# Altium PCB STB_ValidationBoard.PcbDoc (part 1 of 4) (continued)
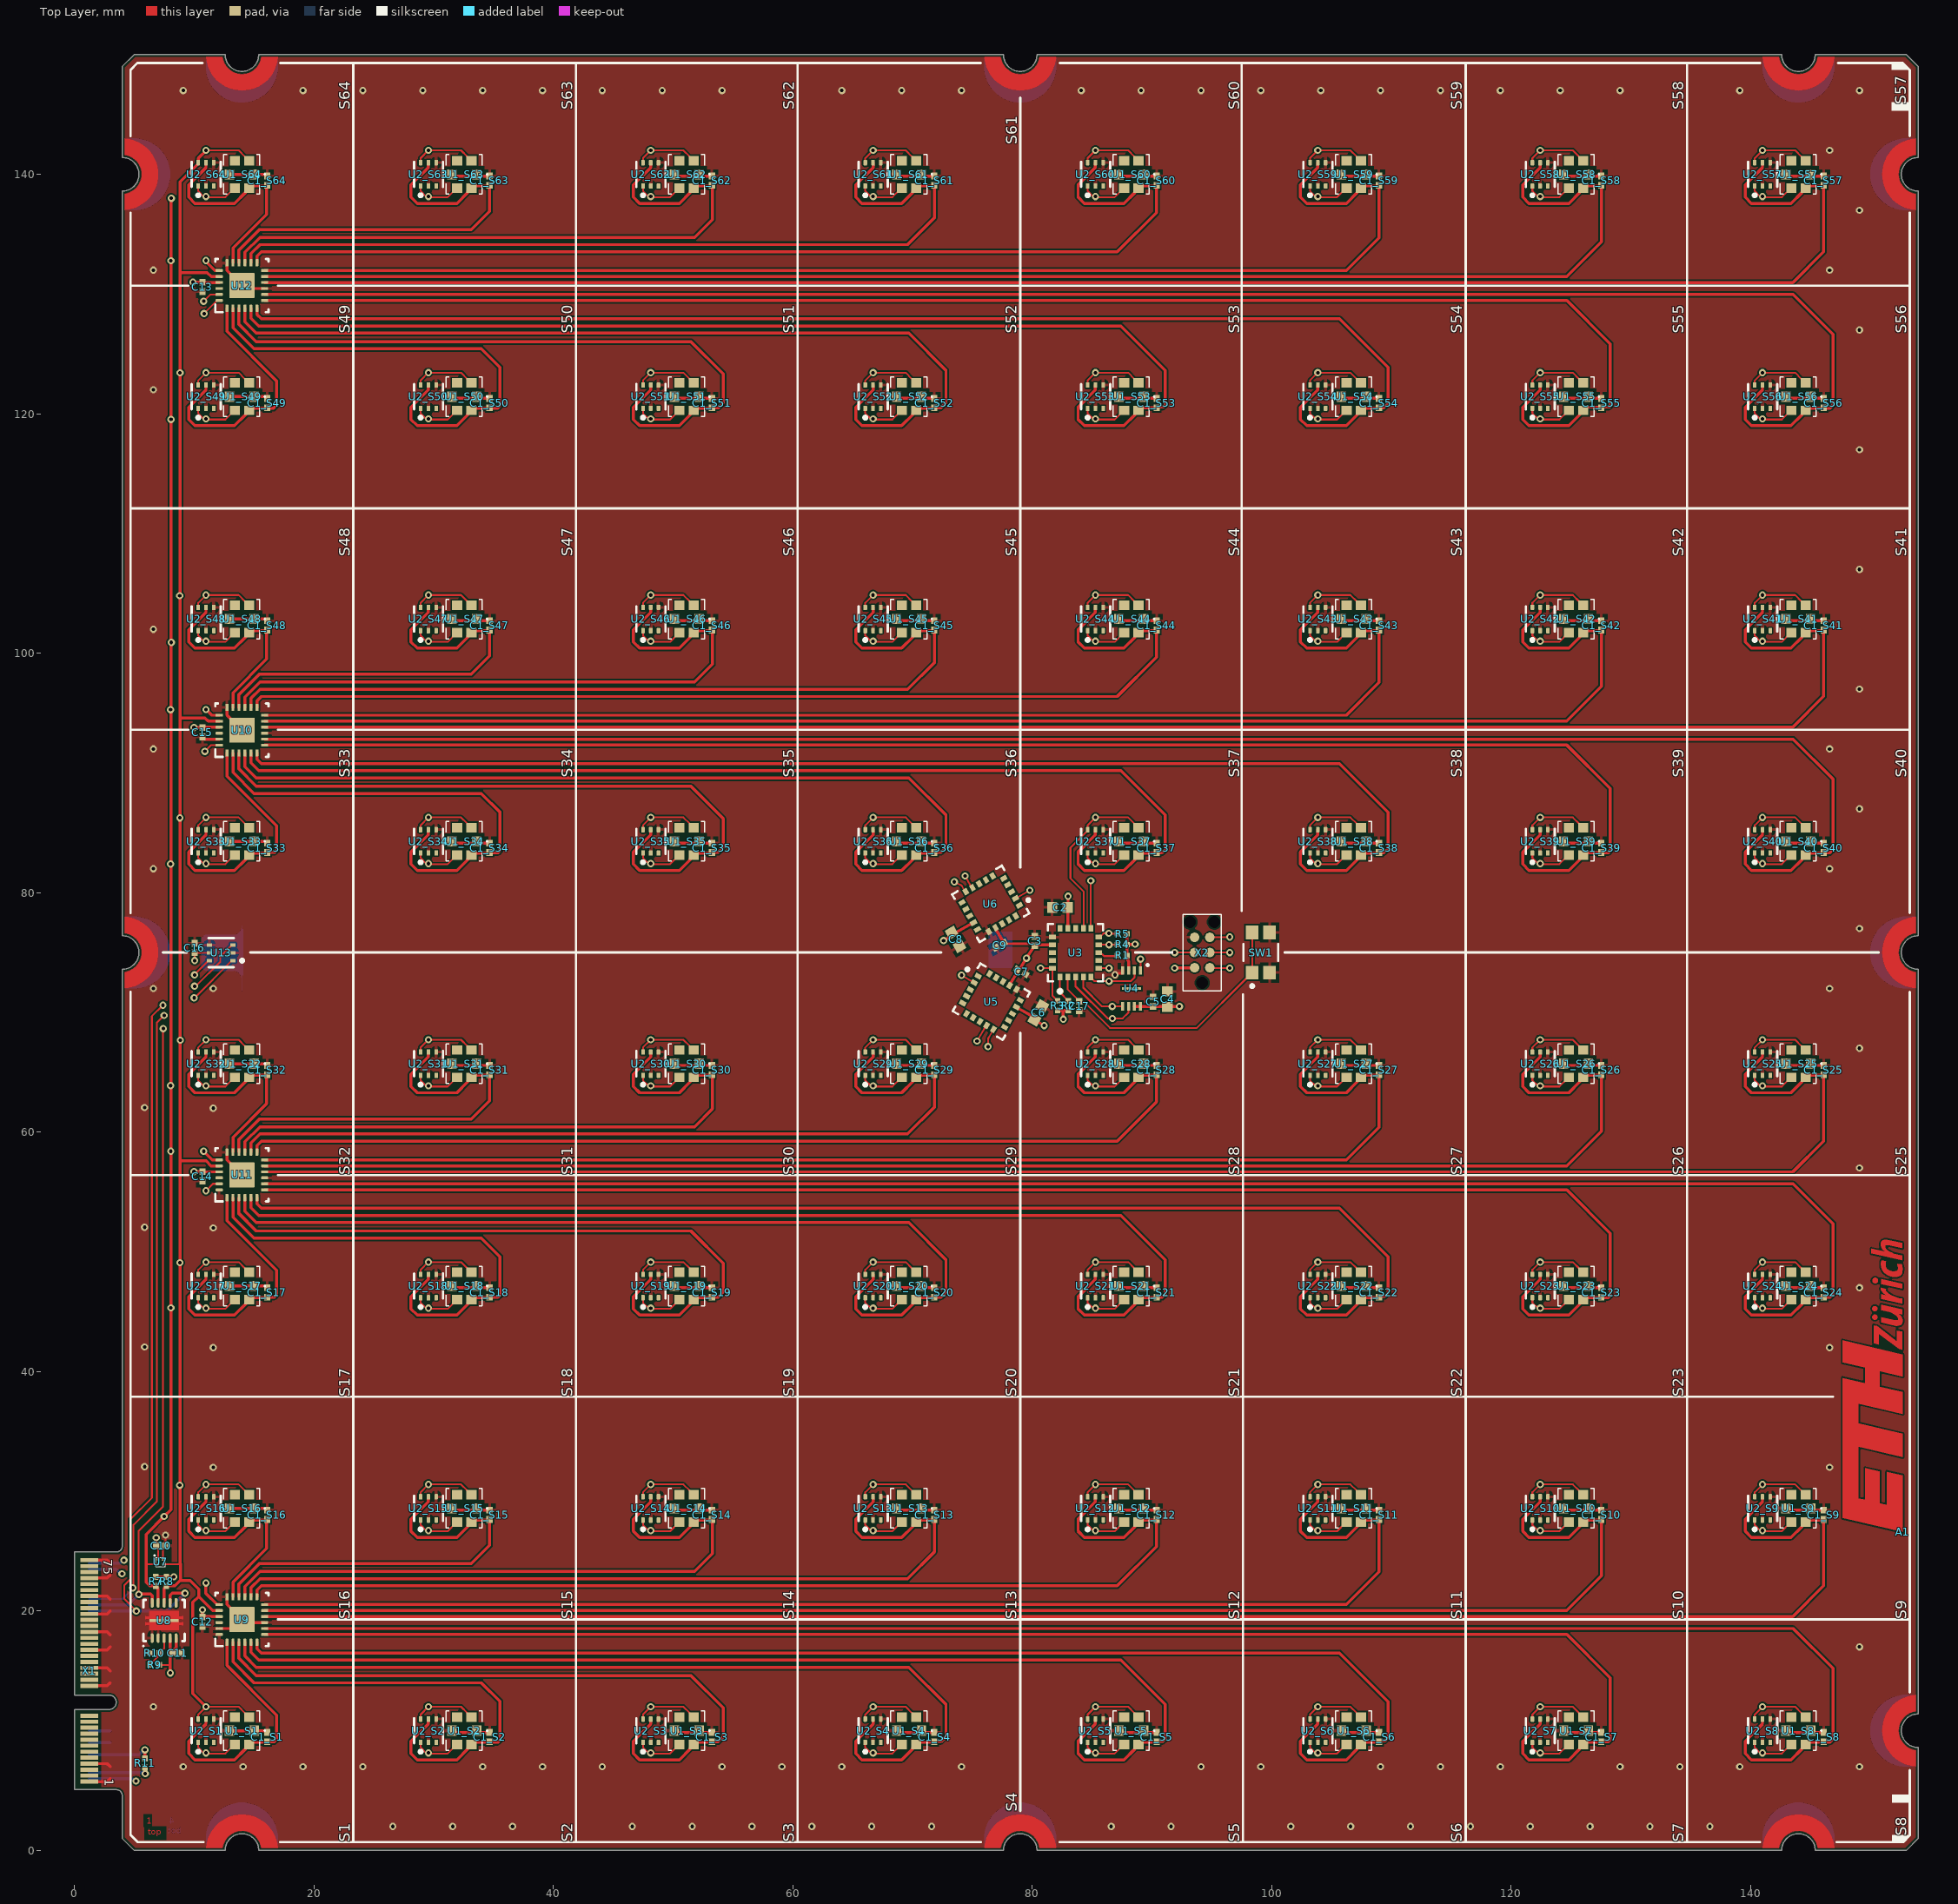
[diagram p0: Top Layer view]
## Classes and differential pairs
channel class STB_Sensors: S1 S2 S3 S4 S5 S6 S7 S8 S9 S10 S11 S12 S13 S14 S15 S16 S17 S18 S19 S20 S21 S22 S23 S24 S25 S26 S27 S28 S29 S30 S31 S32 S33 S34 S35 S36 S37 S38 S39 S40 S41 S42 S43 S44 S45 S46 S47 S48 S49 S50 S51 S52 S53 S54 S55 S56 S57 S58 S59 S60 S61 S62 S63 S64
net class VDD[1..64]: VDD1 VDD2 VDD3 VDD4 VDD5 VDD6 VDD7 VDD8 VDD9 VDD10 VDD11 VDD12 VDD13 VDD14 VDD15 VDD16 VDD17 VDD18 VDD19 VDD20 VDD21 VDD22 VDD23 VDD24 VDD25 VDD26 VDD27 VDD28 VDD29 VDD30 VDD31 VDD32 VDD33 VDD34 VDD35 VDD36 VDD37 VDD38 VDD39 VDD40 VDD41 VDD42 VDD43 VDD44 VDD45 VDD46 VDD47 VDD48 VDD49 VDD50 VDD51 VDD52 VDD53 VDD54 VDD55 VDD56 VDD57 VDD58 VDD59 VDD60 VDD61 VDD62 VDD63 VDD64
component class TC: C10 U7
component class STB_ValidationBoard: A1 C11 C12 C13 C14 C15 C16 R7 R8 R9 R10 R11 TP1 TP2 U8 U9 U10 U11 U12 U13 X1
component class SP: C2 C3 C4 C5 C6 C7 C8 C9 C17 R1 R2 R3 R4 R5 SW1 U3 U4 U5 U6 X2
component class S64: C1_S64 U1_S64 U2_S64
component class S63: C1_S63 U1_S63 U2_S63
component class S62: C1_S62 U1_S62 U2_S62
component class S61: C1_S61 U1_S61 U2_S61
component class S60: C1_S60 U1_S60 U2_S60
component class S59: C1_S59 U1_S59 U2_S59
component class S58: C1_S58 U1_S58 U2_S58
component class S57: C1_S57 U1_S57 U2_S57
component class S56: C1_S56 U1_S56 U2_S56
component class S55: C1_S55 U1_S55 U2_S55
component class S54: C1_S54 U1_S54 U2_S54
component class S53: C1_S53 U1_S53 U2_S53
component class S52: C1_S52 U1_S52 U2_S52
component class S51: C1_S51 U1_S51 U2_S51
component class S50: C1_S50 U1_S50 U2_S50
component class S49: C1_S49 U1_S49 U2_S49
component class S48: C1_S48 U1_S48 U2_S48
component class S47: C1_S47 U1_S47 U2_S47
component class S46: C1_S46 U1_S46 U2_S46
component class S45: C1_S45 U1_S45 U2_S45
component class S44: C1_S44 U1_S44 U2_S44
component class S43: C1_S43 U1_S43 U2_S43
component class S42: C1_S42 U1_S42 U2_S42
component class S41: C1_S41 U1_S41 U2_S41
component class S40: C1_S40 U1_S40 U2_S40
component class S39: C1_S39 U1_S39 U2_S39
component class S38: C1_S38 U1_S38 U2_S38
component class S37: C1_S37 U1_S37 U2_S37
component class S36: C1_S36 U1_S36 U2_S36
component class S35: C1_S35 U1_S35 U2_S35
component class S34: C1_S34 U1_S34 U2_S34
component class S33: C1_S33 U1_S33 U2_S33
component class S32: C1_S32 U1_S32 U2_S32
component class S31: C1_S31 U1_S31 U2_S31
component class S30: C1_S30 U1_S30 U2_S30
component class S29: C1_S29 U1_S29 U2_S29
component class S28: C1_S28 U1_S28 U2_S28
component class S27: C1_S27 U1_S27 U2_S27
component class S26: C1_S26 U1_S26 U2_S26
component class S25: C1_S25 U1_S25 U2_S25
component class S24: C1_S24 U1_S24 U2_S24
component class S23: C1_S23 U1_S23 U2_S23
component class S22: C1_S22 U1_S22 U2_S22
component class S21: C1_S21 U1_S21 U2_S21
component class S20: C1_S20 U1_S20 U2_S20
component class S19: C1_S19 U1_S19 U2_S19
component class S18: C1_S18 U1_S18 U2_S18
component class S17: C1_S17 U1_S17 U2_S17
component class S16: C1_S16 U1_S16 U2_S16
component class S15: C1_S15 U1_S15 U2_S15
component class S14: C1_S14 U1_S14 U2_S14
component class S13: C1_S13 U1_S13 U2_S13
component class S12: C1_S12 U1_S12 U2_S12
component class S11: C1_S11 U1_S11 U2_S11
component class S10: C1_S10 U1_S10 U2_S10
component class S9: C1_S9 U1_S9 U2_S9
component class S8: C1_S8 U1_S8 U2_S8
component class S7: C1_S7 U1_S7 U2_S7
component class S6: C1_S6 U1_S6 U2_S6
component class S5: C1_S5 U1_S5 U2_S5
component class S4: C1_S4 U1_S4 U2_S4
component class S3: C1_S3 U1_S3 U2_S3
component class S2: C1_S2 U1_S2 U2_S2
component class S1: C1_S1 U1_S1 U2_S1

## Components (designator, comment, footprint, x,y, rotation, side; value= is the part's Value field where it differs from the comment)
A1 "Logo ETH Zurich" eth-zurich_5mm 152.7,26.6 r90 top
C1_S1 "100nF" CAPC1050X55X23LL05T13 16.11,9.466 r270 top (schematic designator C1)
C1_S2 "100nF" CAPC1050X55X23LL05T13 34.681,9.466 r270 top (schematic designator C1)
C1_S3 "100nF" CAPC1050X55X23LL05T13 53.252,9.466 r270 top (schematic designator C1)
C1_S4 "100nF" CAPC1050X55X23LL05T13 71.824,9.466 r270 top (schematic designator C1)
C1_S5 "100nF" CAPC1050X55X23LL05T13 90.395,9.466 r270 top (schematic designator C1)
C1_S6 "100nF" CAPC1050X55X23LL05T13 108.967,9.466 r270 top (schematic designator C1)
C1_S7 "100nF" CAPC1050X55X23LL05T13 127.538,9.466 r270 top (schematic designator C1)
C1_S8 "100nF" CAPC1050X55X23LL05T13 146.109,9.466 r270 top (schematic designator C1)
C1_S9 "100nF" CAPC1050X55X23LL05T13 146.109,28.038 r270 top (schematic designator C1)
C1_S10 "100nF" CAPC1050X55X23LL05T13 127.538,28.038 r270 top (schematic designator C1)
C1_S11 "100nF" CAPC1050X55X23LL05T13 108.967,28.038 r270 top (schematic designator C1)
C1_S12 "100nF" CAPC1050X55X23LL05T13 90.395,28.038 r270 top (schematic designator C1)
C1_S13 "100nF" CAPC1050X55X23LL05T13 71.824,28.038 r270 top (schematic designator C1)
C1_S14 "100nF" CAPC1050X55X23LL05T13 53.252,28.038 r270 top (schematic designator C1)
C1_S15 "100nF" CAPC1050X55X23LL05T13 34.681,28.038 r270 top (schematic designator C1)
C1_S16 "100nF" CAPC1050X55X23LL05T13 16.11,28.038 r270 top (schematic designator C1)
C1_S17 "100nF" CAPC1050X55X23LL05T13 16.11,46.609 r270 top (schematic designator C1)
C1_S18 "100nF" CAPC1050X55X23LL05T13 34.681,46.609 r270 top (schematic designator C1)
C1_S19 "100nF" CAPC1050X55X23LL05T13 53.252,46.609 r270 top (schematic designator C1)
C1_S20 "100nF" CAPC1050X55X23LL05T13 71.824,46.609 r270 top (schematic designator C1)
C1_S21 "100nF" CAPC1050X55X23LL05T13 90.395,46.609 r270 top (schematic designator C1)
C1_S22 "100nF" CAPC1050X55X23LL05T13 108.967,46.609 r270 top (schematic designator C1)
C1_S23 "100nF" CAPC1050X55X23LL05T13 127.538,46.609 r270 top (schematic designator C1)
C1_S24 "100nF" CAPC1050X55X23LL05T13 146.109,46.609 r270 top (schematic designator C1)
C1_S25 "100nF" CAPC1050X55X23LL05T13 146.109,65.181 r270 top (schematic designator C1)
C1_S26 "100nF" CAPC1050X55X23LL05T13 127.538,65.181 r270 top (schematic designator C1)
C1_S27 "100nF" CAPC1050X55X23LL05T13 108.967,65.181 r270 top (schematic designator C1)
C1_S28 "100nF" CAPC1050X55X23LL05T13 90.395,65.181 r270 top (schematic designator C1)
C1_S29 "100nF" CAPC1050X55X23LL05T13 71.824,65.181 r270 top (schematic designator C1)
C1_S30 "100nF" CAPC1050X55X23LL05T13 53.252,65.181 r270 top (schematic designator C1)
C1_S31 "100nF" CAPC1050X55X23LL05T13 34.681,65.181 r270 top (schematic designator C1)
C1_S32 "100nF" CAPC1050X55X23LL05T13 16.11,65.181 r270 top (schematic designator C1)
C1_S33 "100nF" CAPC1050X55X23LL05T13 16.11,83.752 r270 top (schematic designator C1)
C1_S34 "100nF" CAPC1050X55X23LL05T13 34.681,83.752 r270 top (schematic designator C1)
C1_S35 "100nF" CAPC1050X55X23LL05T13 53.252,83.752 r270 top (schematic designator C1)
C1_S36 "100nF" CAPC1050X55X23LL05T13 71.824,83.752 r270 top (schematic designator C1)
C1_S37 "100nF" CAPC1050X55X23LL05T13 90.395,83.752 r270 top (schematic designator C1)
C1_S38 "100nF" CAPC1050X55X23LL05T13 108.967,83.752 r270 top (schematic designator C1)
C1_S39 "100nF" CAPC1050X55X23LL05T13 127.538,83.752 r270 top (schematic designator C1)
C1_S40 "100nF" CAPC1050X55X23LL05T13 146.109,83.752 r270 top (schematic designator C1)
C1_S41 "100nF" CAPC1050X55X23LL05T13 146.109,102.323 r270 top (schematic designator C1)
C1_S42 "100nF" CAPC1050X55X23LL05T13 127.538,102.323 r270 top (schematic designator C1)
C1_S43 "100nF" CAPC1050X55X23LL05T13 108.967,102.323 r270 top (schematic designator C1)
C1_S44 "100nF" CAPC1050X55X23LL05T13 90.395,102.323 r270 top (schematic designator C1)
C1_S45 "100nF" CAPC1050X55X23LL05T13 71.824,102.323 r270 top (schematic designator C1)
C1_S46 "100nF" CAPC1050X55X23LL05T13 53.252,102.323 r270 top (schematic designator C1)
C1_S47 "100nF" CAPC1050X55X23LL05T13 34.681,102.323 r270 top (schematic designator C1)
C1_S48 "100nF" CAPC1050X55X23LL05T13 16.11,102.323 r270 top (schematic designator C1)
C1_S49 "100nF" CAPC1050X55X23LL05T13 16.11,120.895 r270 top (schematic designator C1)
C1_S50 "100nF" CAPC1050X55X23LL05T13 34.681,120.895 r270 top (schematic designator C1)
C1_S51 "100nF" CAPC1050X55X23LL05T13 53.252,120.895 r270 top (schematic designator C1)
C1_S52 "100nF" CAPC1050X55X23LL05T13 71.824,120.895 r270 top (schematic designator C1)
C1_S53 "100nF" CAPC1050X55X23LL05T13 90.395,120.895 r270 top (schematic designator C1)
C1_S54 "100nF" CAPC1050X55X23LL05T13 108.967,120.895 r270 top (schematic designator C1)
C1_S55 "100nF" CAPC1050X55X23LL05T13 127.538,120.895 r270 top (schematic designator C1)
C1_S56 "100nF" CAPC1050X55X23LL05T13 146.109,120.895 r270 top (schematic designator C1)
C1_S57 "100nF" CAPC1050X55X23LL05T13 146.109,139.466 r270 top (schematic designator C1)
C1_S58 "100nF" CAPC1050X55X23LL05T13 127.538,139.466 r270 top (schematic designator C1)
C1_S59 "100nF" CAPC1050X55X23LL05T13 108.967,139.466 r270 top (schematic designator C1)
C1_S60 "100nF" CAPC1050X55X23LL05T13 90.395,139.466 r270 top (schematic designator C1)
C1_S61 "100nF" CAPC1050X55X23LL05T13 71.824,139.466 r270 top (schematic designator C1)
C1_S62 "100nF" CAPC1050X55X23LL05T13 53.252,139.466 r270 top (schematic designator C1)
C1_S63 "100nF" CAPC1050X55X23LL05T13 34.681,139.466 r270 top (schematic designator C1)
C1_S64 "100nF" CAPC1050X55X23LL05T13 16.11,139.466 r270 top (schematic designator C1)
C2 "1uF" CAPC1608X90X35LL15T15 82.321,78.764 r0 top
C3 "100nF" CAPC1050X55X23LL05T13 80.221,75.964 r270 top
C4 "1uF" CAPC1608X90X35LL15T15 91.3,71.1 r270 top
C5 "100nF" CAPC1050X55X23LL05T13 90.1,70.9 r270 top
C6 "1uF" CAPC1608X90X35LL15T15 80.521,69.964 r240 top
C7 "100nF" CAPC1050X55X23LL05T13 79.1,73.4 r150 top
C8 "1uF" CAPC1608X90X35LL15T15 73.6,76.1 r120 top
C9 "100nF" CAPC1050X55X23LL05T13 77.3,75.6 r30 top
C10 "100nF" CAPC1050X55X23LL05T13 7.236,25.454 r180 top
C11 "100nF" CAPC1050X55X23LL05T13 8.6,16.5 r180 top
C12 "100nF" CAPC1050X55X23LL05T13 10.7,19.1 r90 top
C13 "100nF" CAPC1050X55X23LL05T13 10.7,130.6 r90 top
C14 "100nF" CAPC1050X55X23LL05T13 10.7,56.3 r90 top
C15 "100nF" CAPC1050X55X23LL05T13 10.7,93.4 r90 top
C16 "100nF" CAPC1050X55X23LL05T13 10.048,75.376 r270 top
C17 "100nF" CAPC1050X55X23LL05T13 83.921,70.527 r90 top
R1 "10k" RESC1005X40X25LL05T05 87.521,74.764 r0 top value="10 kOhm"
R2 "DNP" RESC1005X40X25LL05T05 83.021,70.564 r270 top value="10 kOhm"
R3 "DNP" RESC1005X40X25LL05T05 82.121,70.564 r270 top value="10 kOhm"
R4 "10k" RESC1005X40X25LL05T05 87.521,75.664 r0 top value="10 kOhm"
R5 "10k" RESC1005X40X25LL05T05 87.521,76.564 r0 top value="10 kOhm"
R7 "4k7" RESC1005X40X25LL05T10 6.8,22.475 r90 top value="4.7 kOhm"
R8 "4k7" RESC1005X40X25LL05T10 7.7,22.475 r90 top value="4.7 kOhm"
R9 "976k" RESC1005X40X25LL05T05 6.7,15.5 r180 top value="976 kOhm"
R10 "182k" RESC1005X40X25LL05T05 6.7,16.5 r0 top value="182 kOhm"
R11 "200k" RESC1005X40X25LL05T10 5.9,7.3 r270 top value="200 kOhm"
SW1 "DNP" PNSC-EVPAA_V 99.1,75 r90 top
TP1 "testPoint_1mm" TP-SM-C-100 12.264,75 r180 bottom
TP2 "testPoint_1mm" TP-SM-C-100 77.233,75.099 r90 bottom
U1_S1 "VEML60311X00" "6-SMD - No Thermal Pad_2" 14,10 r90 top (schematic designator U1)
U1_S2 "VEML60311X00" "6-SMD - No Thermal Pad_2" 32.571,10 r90 top (schematic designator U1)
U1_S3 "VEML60311X00" "6-SMD - No Thermal Pad_2" 51.143,10 r90 top (schematic designator U1)
U1_S4 "VEML60311X00" "6-SMD - No Thermal Pad_2" 69.714,10 r90 top (schematic designator U1)
U1_S5 "VEML60311X00" "6-SMD - No Thermal Pad_2" 88.286,10 r90 top (schematic designator U1)
U1_S6 "VEML60311X00" "6-SMD - No Thermal Pad_2" 106.857,10 r90 top (schematic designator U1)
U1_S7 "VEML60311X00" "6-SMD - No Thermal Pad_2" 125.428,10 r90 top (schematic designator U1)
U1_S8 "VEML60311X00" "6-SMD - No Thermal Pad_2" 144,10 r90 top (schematic designator U1)
U1_S9 "VEML60311X00" "6-SMD - No Thermal Pad_2" 144,28.571 r90 top (schematic designator U1)
U1_S10 "VEML60311X00" "6-SMD - No Thermal Pad_2" 125.428,28.571 r90 top (schematic designator U1)
U1_S11 "VEML60311X00" "6-SMD - No Thermal Pad_2" 106.857,28.571 r90 top (schematic designator U1)
U1_S12 "VEML60311X00" "6-SMD - No Thermal Pad_2" 88.286,28.571 r90 top (schematic designator U1)
U1_S13 "VEML60311X00" "6-SMD - No Thermal Pad_2" 69.714,28.571 r90 top (schematic designator U1)
U1_S14 "VEML60311X00" "6-SMD - No Thermal Pad_2" 51.143,28.571 r90 top (schematic designator U1)
U1_S15 "VEML60311X00" "6-SMD - No Thermal Pad_2" 32.571,28.571 r90 top (schematic designator U1)
U1_S16 "VEML60311X00" "6-SMD - No Thermal Pad_2" 14,28.571 r90 top (schematic designator U1)
U1_S17 "VEML60311X00" "6-SMD - No Thermal Pad_2" 14,47.143 r90 top (schematic designator U1)
U1_S18 "VEML60311X00" "6-SMD - No Thermal Pad_2" 32.571,47.143 r90 top (schematic designator U1)
U1_S19 "VEML60311X00" "6-SMD - No Thermal Pad_2" 51.143,47.143 r90 top (schematic designator U1)
U1_S20 "VEML60311X00" "6-SMD - No Thermal Pad_2" 69.714,47.143 r90 top (schematic designator U1)
U1_S21 "VEML60311X00" "6-SMD - No Thermal Pad_2" 88.286,47.143 r90 top (schematic designator U1)
U1_S22 "VEML60311X00" "6-SMD - No Thermal Pad_2" 106.857,47.143 r90 top (schematic designator U1)
U1_S23 "VEML60311X00" "6-SMD - No Thermal Pad_2" 125.428,47.143 r90 top (schematic designator U1)
U1_S24 "VEML60311X00" "6-SMD - No Thermal Pad_2" 144,47.143 r90 top (schematic designator U1)
U1_S25 "VEML60311X00" "6-SMD - No Thermal Pad_2" 144,65.714 r90 top (schematic designator U1)
U1_S26 "VEML60311X00" "6-SMD - No Thermal Pad_2" 125.428,65.714 r90 top (schematic designator U1)
U1_S27 "VEML60311X00" "6-SMD - No Thermal Pad_2" 106.857,65.714 r90 top (schematic designator U1)
U1_S28 "VEML60311X00" "6-SMD - No Thermal Pad_2" 88.286,65.714 r90 top (schematic designator U1)
U1_S29 "VEML60311X00" "6-SMD - No Thermal Pad_2" 69.714,65.714 r90 top (schematic designator U1)
U1_S30 "VEML60311X00" "6-SMD - No Thermal Pad_2" 51.143,65.714 r90 top (schematic designator U1)
U1_S31 "VEML60311X00" "6-SMD - No Thermal Pad_2" 32.571,65.714 r90 top (schematic designator U1)
U1_S32 "VEML60311X00" "6-SMD - No Thermal Pad_2" 14,65.714 r90 top (schematic designator U1)
U1_S33 "VEML60311X00" "6-SMD - No Thermal Pad_2" 14,84.286 r90 top (schematic designator U1)
U1_S34 "VEML60311X00" "6-SMD - No Thermal Pad_2" 32.571,84.286 r90 top (schematic designator U1)
U1_S35 "VEML60311X00" "6-SMD - No Thermal Pad_2" 51.143,84.286 r90 top (schematic designator U1)
U1_S36 "VEML60311X00" "6-SMD - No Thermal Pad_2" 69.714,84.286 r90 top (schematic designator U1)
U1_S37 "VEML60311X00" "6-SMD - No Thermal Pad_2" 88.286,84.286 r90 top (schematic designator U1)
U1_S38 "VEML60311X00" "6-SMD - No Thermal Pad_2" 106.857,84.286 r90 top (schematic designator U1)
U1_S39 "VEML60311X00" "6-SMD - No Thermal Pad_2" 125.428,84.286 r90 top (schematic designator U1)
U1_S40 "VEML60311X00" "6-SMD - No Thermal Pad_2" 144,84.286 r90 top (schematic designator U1)
U1_S41 "VEML60311X00" "6-SMD - No Thermal Pad_2" 144,102.857 r90 top (schematic designator U1)
U1_S42 "VEML60311X00" "6-SMD - No Thermal Pad_2" 125.428,102.857 r90 top (schematic designator U1)
U1_S43 "VEML60311X00" "6-SMD - No Thermal Pad_2" 106.857,102.857 r90 top (schematic designator U1)
U1_S44 "VEML60311X00" "6-SMD - No Thermal Pad_2" 88.286,102.857 r90 top (schematic designator U1)
U1_S45 "VEML60311X00" "6-SMD - No Thermal Pad_2" 69.714,102.857 r90 top (schematic designator U1)
U1_S46 "VEML60311X00" "6-SMD - No Thermal Pad_2" 51.143,102.857 r90 top (schematic designator U1)
U1_S47 "VEML60311X00" "6-SMD - No Thermal Pad_2" 32.571,102.857 r90 top (schematic designator U1)
U1_S48 "VEML60311X00" "6-SMD - No Thermal Pad_2" 14,102.857 r90 top (schematic designator U1)
U1_S49 "VEML60311X00" "6-SMD - No Thermal Pad_2" 14,121.428 r90 top (schematic designator U1)
U1_S50 "VEML60311X00" "6-SMD - No Thermal Pad_2" 32.571,121.428 r90 top (schematic designator U1)
U1_S51 "VEML60311X00" "6-SMD - No Thermal Pad_2" 51.143,121.428 r90 top (schematic designator U1)
U1_S52 "VEML60311X00" "6-SMD - No Thermal Pad_2" 69.714,121.428 r90 top (schematic designator U1)
U1_S53 "VEML60311X00" "6-SMD - No Thermal Pad_2" 88.286,121.428 r90 top (schematic designator U1)
U1_S54 "VEML60311X00" "6-SMD - No Thermal Pad_2" 106.857,121.428 r90 top (schematic designator U1)
U1_S55 "VEML60311X00" "6-SMD - No Thermal Pad_2" 125.428,121.428 r90 top (schematic designator U1)
U1_S56 "VEML60311X00" "6-SMD - No Thermal Pad_2" 144,121.428 r90 top (schematic designator U1)
U1_S57 "VEML60311X00" "6-SMD - No Thermal Pad_2" 144,140 r90 top (schematic designator U1)
U1_S58 "VEML60311X00" "6-SMD - No Thermal Pad_2" 125.428,140 r90 top (schematic designator U1)
U1_S59 "VEML60311X00" "6-SMD - No Thermal Pad_2" 106.857,140 r90 top (schematic designator U1)
U1_S60 "VEML60311X00" "6-SMD - No Thermal Pad_2" 88.286,140 r90 top (schematic designator U1)
U1_S61 "VEML60311X00" "6-SMD - No Thermal Pad_2" 69.714,140 r90 top (schematic designator U1)
U1_S62 "VEML60311X00" "6-SMD - No Thermal Pad_2" 51.143,140 r90 top (schematic designator U1)
U1_S63 "VEML60311X00" "6-SMD - No Thermal Pad_2" 32.571,140 r90 top (schematic designator U1)
U1_S64 "VEML60311X00" "6-SMD - No Thermal Pad_2" 14,140 r90 top (schematic designator U1)
U2_S1 "TMP116NAIDRVR" FP-DRV0006B-MFG 11,10 r90 top (schematic designator U2)
U2_S2 "TMP116NAIDRVR" FP-DRV0006B-MFG 29.571,10 r90 top (schematic designator U2)
U2_S3 "TMP116NAIDRVR" FP-DRV0006B-MFG 48.143,10 r90 top (schematic designator U2)
U2_S4 "TMP116NAIDRVR" FP-DRV0006B-MFG 66.714,10 r90 top (schematic designator U2)
U2_S5 "TMP116NAIDRVR" FP-DRV0006B-MFG 85.286,10 r90 top (schematic designator U2)
U2_S6 "TMP116NAIDRVR" FP-DRV0006B-MFG 103.857,10 r90 top (schematic designator U2)
U2_S7 "TMP116NAIDRVR" FP-DRV0006B-MFG 122.428,10 r90 top (schematic designator U2)
U2_S8 "TMP116NAIDRVR" FP-DRV0006B-MFG 141,10 r90 top (schematic designator U2)
U2_S9 "TMP116NAIDRVR" FP-DRV0006B-MFG 141,28.571 r90 top (schematic designator U2)
U2_S10 "TMP116NAIDRVR" FP-DRV0006B-MFG 122.428,28.571 r90 top (schematic designator U2)
U2_S11 "TMP116NAIDRVR" FP-DRV0006B-MFG 103.857,28.571 r90 top (schematic designator U2)
U2_S12 "TMP116NAIDRVR" FP-DRV0006B-MFG 85.286,28.571 r90 top (schematic designator U2)
U2_S13 "TMP116NAIDRVR" FP-DRV0006B-MFG 66.714,28.571 r90 top (schematic designator U2)
U2_S14 "TMP116NAIDRVR" FP-DRV0006B-MFG 48.143,28.571 r90 top (schematic designator U2)
U2_S15 "TMP116NAIDRVR" FP-DRV0006B-MFG 29.571,28.571 r90 top (schematic designator U2)
U2_S16 "TMP116NAIDRVR" FP-DRV0006B-MFG 11,28.571 r90 top (schematic designator U2)
U2_S17 "TMP116NAIDRVR" FP-DRV0006B-MFG 11,47.143 r90 top (schematic designator U2)
U2_S18 "TMP116NAIDRVR" FP-DRV0006B-MFG 29.571,47.143 r90 top (schematic designator U2)
U2_S19 "TMP116NAIDRVR" FP-DRV0006B-MFG 48.143,47.143 r90 top (schematic designator U2)
U2_S20 "TMP116NAIDRVR" FP-DRV0006B-MFG 66.714,47.143 r90 top (schematic designator U2)
U2_S21 "TMP116NAIDRVR" FP-DRV0006B-MFG 85.286,47.143 r90 top (schematic designator U2)
U2_S22 "TMP116NAIDRVR" FP-DRV0006B-MFG 103.857,47.143 r90 top (schematic designator U2)
U2_S23 "TMP116NAIDRVR" FP-DRV0006B-MFG 122.428,47.143 r90 top (schematic designator U2)
U2_S24 "TMP116NAIDRVR" FP-DRV0006B-MFG 141,47.143 r90 top (schematic designator U2)
U2_S25 "TMP116NAIDRVR" FP-DRV0006B-MFG 141,65.714 r90 top (schematic designator U2)
U2_S26 "TMP116NAIDRVR" FP-DRV0006B-MFG 122.428,65.714 r90 top (schematic designator U2)
U2_S27 "TMP116NAIDRVR" FP-DRV0006B-MFG 103.857,65.714 r90 top (schematic designator U2)
U2_S28 "TMP116NAIDRVR" FP-DRV0006B-MFG 85.286,65.714 r90 top (schematic designator U2)
U2_S29 "TMP116NAIDRVR" FP-DRV0006B-MFG 66.714,65.714 r90 top (schematic designator U2)
U2_S30 "TMP116NAIDRVR" FP-DRV0006B-MFG 48.143,65.714 r90 top (schematic designator U2)
U2_S31 "TMP116NAIDRVR" FP-DRV0006B-MFG 29.571,65.714 r90 top (schematic designator U2)
U2_S32 "TMP116NAIDRVR" FP-DRV0006B-MFG 11,65.714 r90 top (schematic designator U2)
U2_S33 "TMP116NAIDRVR" FP-DRV0006B-MFG 11,84.286 r90 top (schematic designator U2)
U2_S34 "TMP116NAIDRVR" FP-DRV0006B-MFG 29.571,84.286 r90 top (schematic designator U2)
U2_S35 "TMP116NAIDRVR" FP-DRV0006B-MFG 48.143,84.286 r90 top (schematic designator U2)
U2_S36 "TMP116NAIDRVR" FP-DRV0006B-MFG 66.714,84.286 r90 top (schematic designator U2)
U2_S37 "TMP116NAIDRVR" FP-DRV0006B-MFG 85.286,84.286 r90 top (schematic designator U2)
U2_S38 "TMP116NAIDRVR" FP-DRV0006B-MFG 103.857,84.286 r90 top (schematic designator U2)
U2_S39 "TMP116NAIDRVR" FP-DRV0006B-MFG 122.428,84.286 r90 top (schematic designator U2)
U2_S40 "TMP116NAIDRVR" FP-DRV0006B-MFG 141,84.286 r90 top (schematic designator U2)
U2_S41 "TMP116NAIDRVR" FP-DRV0006B-MFG 141,102.857 r90 top (schematic designator U2)
U2_S42 "TMP116NAIDRVR" FP-DRV0006B-MFG 122.428,102.857 r90 top (schematic designator U2)
U2_S43 "TMP116NAIDRVR" FP-DRV0006B-MFG 103.857,102.857 r90 top (schematic designator U2)
U2_S44 "TMP116NAIDRVR" FP-DRV0006B-MFG 85.286,102.857 r90 top (schematic designator U2)
U2_S45 "TMP116NAIDRVR" FP-DRV0006B-MFG 66.714,102.857 r90 top (schematic designator U2)
U2_S46 "TMP116NAIDRVR" FP-DRV0006B-MFG 48.143,102.857 r90 top (schematic designator U2)
U2_S47 "TMP116NAIDRVR" FP-DRV0006B-MFG 29.571,102.857 r90 top (schematic designator U2)
U2_S48 "TMP116NAIDRVR" FP-DRV0006B-MFG 11,102.857 r90 top (schematic designator U2)
U2_S49 "TMP116NAIDRVR" FP-DRV0006B-MFG 11,121.428 r90 top (schematic designator U2)
U2_S50 "TMP116NAIDRVR" FP-DRV0006B-MFG 29.571,121.428 r90 top (schematic designator U2)
U2_S51 "TMP116NAIDRVR" FP-DRV0006B-MFG 48.143,121.428 r90 top (schematic designator U2)
U2_S52 "TMP116NAIDRVR" FP-DRV0006B-MFG 66.714,121.428 r90 top (schematic designator U2)
U2_S53 "TMP116NAIDRVR" FP-DRV0006B-MFG 85.286,121.428 r90 top (schematic designator U2)
U2_S54 "TMP116NAIDRVR" FP-DRV0006B-MFG 103.857,121.428 r90 top (schematic designator U2)
U2_S55 "TMP116NAIDRVR" FP-DRV0006B-MFG 122.428,121.428 r90 top (schematic designator U2)
U2_S56 "TMP116NAIDRVR" FP-DRV0006B-MFG 141,121.428 r90 top (schematic designator U2)
U2_S57 "TMP116NAIDRVR" FP-DRV0006B-MFG 141,140 r90 top (schematic designator U2)
U2_S58 "TMP116NAIDRVR" FP-DRV0006B-MFG 122.428,140 r90 top (schematic designator U2)
U2_S59 "TMP116NAIDRVR" FP-DRV0006B-MFG 103.857,140 r90 top (schematic designator U2)
U2_S60 "TMP116NAIDRVR" FP-DRV0006B-MFG 85.286,140 r90 top (schematic designator U2)
U2_S61 "TMP116NAIDRVR" FP-DRV0006B-MFG 66.714,140 r90 top (schematic designator U2)
U2_S62 "TMP116NAIDRVR" FP-DRV0006B-MFG 48.143,140 r90 top (schematic designator U2)
U2_S63 "TMP116NAIDRVR" FP-DRV0006B-MFG 29.571,140 r90 top (schematic designator U2)
U2_S64 "TMP116NAIDRVR" FP-DRV0006B-MFG 11,140 r90 top (schematic designator U2)
U3 "AS72651-BLGT" FP-AS72651-BLGT-MFG 83.621,74.989 r90 top
U4 "MX25L4006EZUI-12G" MXIC-USON-8_V 88.3,72 r270 top
U5 "AS72653-BLGT" FP-AS72653-BLGT-MFG 76.6,70.9 r330 top
U6 "AS72652-BLGT" FP-AS72652-BLGT-MFG 76.537,79.067 r210 top
U7 "N24S64BC4DYT3G" "4-WLCSP (0.77x0.77)" 7.2,24.1 r0 top
U8 "LTC4316IDD#TRPBF" DFN10(3x3)_N 7.5,19.2 r90 top
U9 "PCA9555AHF,128" RGE0024C 14,19.286 r90 top
U10 "PCA9555AHF,128" RGE0024C 14,93.571 r90 top
U11 "PCA9555AHF,128" RGE0024C 14,56.428 r90 top
U12 "PCA9555AHF,128" RGE0024C 14,130.714 r90 top
U13 "TMP116NAIDRVR" FP-DRV0006B-MFG 12.264,74.978 r180 top
X1 "CONN PWR CARD EDGE PCB SLOT MALE" CON-67_0.5MM_PCB_SLOT 1.25,15 r270 top locked
X2 "TC2030-MCP-NL" TC2030-MCP-NL 94.2,75 r90 top

## Footprints (in the part's own frame and the unit in brackets; to place one, negate y for a bottom-side part, rotate by r counter-clockwise, add the part's x,y. Pads: shape width x height; smd on the part's side, far side on the other; paste and mask are expansions set on the pad)
"4-WLCSP (0.77x0.77)" [mm] "BGA, 4-Balls, Body 0.77x0.77mm, Pitch 0.4mm"
  round 0.22 smd mask+0.032: A1(-0.2,0.2) A2(0.2,0.2) B1(-0.2,-0.2) B2(0.2,-0.2)
  silkscreen extent -0.55,-0.39 0.39,0.57, body extent -0.33,-0.33 0.33,0.33, height 0.4
"6-SMD - No Thermal Pad_2" [mm] "SMD, 6-Leads, Body 2.67x2.45mm"
  rect 0.85x0.79 smd: 1(0,-1.035) 4(0,1.035)
  rect 0.79x0.85 smd: 2(1.145,-0.6) 3(1.145,0.6) 5(-1.145,0.6) 6(-1.145,-0.6)
  silkscreen extent -1.65,-1.95 1.65,1.52, body extent -1.34,-1.23 1.34,1.23, height 0.6
CAPC1050X55X23LL05T13 [mm] "Chip Capacitor, 2-Leads, Body 1.05x0.55mm, IPC High Density"
  rect 0.56x0.52 smd: 1(-0.39,0) 2(0.39,0)
  body extent -0.53,-0.28 0.53,0.28, height 0.55
CAPC1608X90X35LL15T15 [mm] "Chip Capacitor, 2-Leads, Body 1.60x0.81mm, IPC High Density"
  rect 0.85x0.9 smd: 1(-0.65,0) 2(0.65,0)
  body extent -0.88,-0.48 0.87,0.48, height 0.9
CON-67_0.5MM_PCB_SLOT [mm] "Connector 67, 0.5mm pitch - No BOM"
  rect 0.35x1.5 smd: 1(9.25,0) 3(8.75,0) 5(8.25,0) 7(7.75,0) 9(7.25,0) 11(6.75,0) 13(6.25,0) 15(5.75,0) 17(5.25,0) 19(4.75,0) 21(4.25,0) 23(3.75,0) 33(1.25,0) 35(0.75,0) 37(0.25,0) 39(-0.25,0) 41(-0.75,0) 43(-1.25,0) 45(-1.75,0) 47(-2.25,0) 49(-2.75,0) 51(-3.25,0) 53(-3.75,0) 55(-4.25,0) 57(-4.75,0) 59(-5.25,0) 61(-5.75,0) 63(-6.25,0) 65(-6.75,0) 67(-7.25,0) 69(-7.75,0) 71(-8.25,0) 73(-8.75,0) 75(-9.25,0)
  rect 0.35x1.5 smd far side: 2(9,0) 4(8.5,0) 6(8,0) 8(7.5,0) 10(7,0) 12(6.5,0) 14(6,0) 16(5.5,0) 18(5,0) 20(4.5,0) 22(4,0) 32(1.5,0) 34(1,0) 36(0.5,0) 38(0,0) 40(-0.5,0) 42(-1,0) 44(-1.5,0) 46(-2,0) 48(-2.5,0) 50(-3,0) 52(-3.5,0) 54(-4,0) 56(-4.5,0) 58(-5,0) 60(-5.5,0) 62(-6,0) 64(-6.5,0) 66(-7,0) 68(-7.5,0) 70(-8,0) 72(-8.5,0) 74(-9,0)
DFN10(3x3)_N [mm] "SON, 10-Leads, Body 3x3mm, Pitch 0.5mm, Thermal Pad 2.45x1.6mm, IPC Medium Density"
  oval 0.8x0.25 smd: 1(-1.475,1) 2(-1.475,0.5) 3(-1.475,0) 4(-1.475,-0.5) 5(-1.475,-1) 6(1.475,-1) 7(1.475,-0.5) 8(1.475,0) 9(1.475,0.5) 10(1.475,1)
  rect 0.25x2.45 smd paste+0 mask+0: 11(0,0)
  Top Layer region: -0.8,-1.225 -0.375,-1.225 -0.375,-1.575 -0.125,-1.575 -0.125,-1.225 0.125,-1.225 0.125,-1.575 0.375,-1.575 0.375,-1.225 0.8,-1.225 0.8,1.225 0.375,1.225 0.375,1.575 0.125,1.575 0.125,1.225 -0.125,1.225 -0.125,1.575 -0.375,1.575 -0.375,1.225 -0.8,1.225
  silkscreen extent -2.17,-1.73 1.73,1.77, body extent -1.57,-1.57 1.58,1.58, height 1
eth-zurich_5mm [mm] "Logo ETH Zurich"
  Top Layer circle w0.45: c17.94,2.315 r0.001
  Top Layer circle w0.45: c18.655,2.315 r0.001
  Top Layer circle w0.5: c20.997,2.288 r0.001
  Top Layer region: 14.825,0 14.825,0 16,5 14.155,5 13.712,3.117 12.432,3.117 12.872,5 1.175,5 0,0 1.953,0 4.73,0 5.035,1.3 2.26,1.3 2.402,1.91 5.058,1.91 5.34,3.11 2.682,3.11 2.822,3.7 7.123,3.7 6.25,0 8.205,0 9.075,3.7 10.723,3.7 9.855,0 11.7,0 12.15,1.917 13.43,1.917 12.98,0
  Top Layer region: 17.265,2.4 17.265,2.4 15.753,2.4 15.66,1.985 16.575,1.985 15.288,0.308 15.23,0.04 16.74,0.04 16.833,0.455 15.915,0.455 17.207,2.14
  Top Layer region: 18.61,0.04 18.61,0.04 18.998,1.785 18.535,1.785 18.385,1.102 18.3,0.9 18.2,0.72 18.1,0.56 18,0.455 17.92,0.4 17.84,0.36 17.78,0.36 17.72,0.38 17.68,0.42 17.67,0.48 17.67,0.56 17.68,0.63 17.938,1.785 17.492,1.785 17.3,0.9 17.227,0.57 17.22,0.42 17.24,0.28 17.28,0.16 17.36,0.08 17.46,0.02 17.54,0 17.7,0 17.86,0.04 18,0.12 18.105,0.225 18.22,0.36 18.15,0.04
  Top Layer region: 19.763,1.3 19.763,1.3 19.87,1.785 19.46,1.785 19.072,0.04 19.483,0.04 19.545,0.323 19.64,0.63 19.75,0.9 19.84,1.07 19.965,1.235 20.05,1.32 20.12,1.37 20.19,1.4 20.24,1.4 20.308,1.382 20.4,1.8 20.34,1.81 20.28,1.81 20.22,1.8 20.13,1.76 20.07,1.72 19.99,1.65 19.92,1.58 19.84,1.46
  Top Layer region: 20.73,0.04 20.73,0.04 21.117,1.785 20.707,1.785 20.32,0.04
  Top Layer region: 22.69,1.753 22.69,1.753 22.6,1.785 22.5,1.8 22.34,1.8 22.16,1.785 21.97,1.74 21.81,1.66 21.68,1.56 21.6,1.48 21.52,1.38 21.45,1.26 21.4,1.14 21.35,1 21.32,0.87 21.3,0.74 21.3,0.57 21.32,0.42 21.35,0.32 21.4,0.22 21.46,0.14 21.54,0.08 21.63,0.04 21.72,0.02 21.92,0 22.02,0 22.2,0.02 22.313,0.048 22.36,0.06 22.403,0.453 22.31,0.42 22.18,0.39 22.08,0.38 22.01,0.38 21.93,0.4 21.86,0.44 21.82,0.48 21.79,0.54 21.77,0.61 21.76,0.68 21.76,0.77 21.78,0.9 21.82,1.03 21.87,1.14 21.93,1.23 22.02,1.34 22.1,1.39 22.18,1.42 22.26,1.43 22.38,1.43 22.49,1.42 22.54,1.41 22.61,1.39
  Top Layer region: 23.53,1.6 23.53,1.6 23.415,1.465 23.667,2.602 23.257,2.602 22.69,0.04 23.1,0.04 23.25,0.723 23.335,0.925 23.435,1.105 23.535,1.265 23.635,1.37 23.715,1.425 23.795,1.465 23.855,1.465 23.915,1.445 23.955,1.405 23.965,1.345 23.965,1.265 23.955,1.195 23.697,0.04 24.142,0.04 24.335,0.925 24.408,1.255 24.415,1.405 24.395,1.545 24.355,1.665 24.275,1.745 24.175,1.805 24.095,1.825 23.935,1.825 23.775,1.785 23.635,1.705
FP-AS72651-BLGT-MFG [mm]
  rect 0.55x0.4 smd paste+0 mask+0: 1(-2.025,1.3) 2(-2.025,0.65) 3(-2.025,0) 4(-2.025,-0.65) 5(-2.025,-1.3) 11(2.025,-1.3) 12(2.025,-0.65) 13(2.025,0) 14(2.025,0.65) 15(2.025,1.3)
  rect 0.4x0.55 smd paste+0 mask+0: 6(-1.3,-1.925) 7(-0.65,-1.925) 8(0,-1.925) 9(0.65,-1.925) 10(1.3,-1.925) 16(1.3,1.925) 17(0.65,1.925) 18(0,1.925) 19(-0.65,1.925) 20(-1.3,1.925)
  silkscreen extent -3.35,-2.3 2.4,2.3, body extent -2.9,-2.8 2.9,2.8, height 0.25
FP-AS72652-BLGT-MFG [mm]
  rect 0.55x0.4 smd paste+0 mask+0: 1(-2.025,1.3) 2(-2.025,0.65) 3(-2.025,0) 4(-2.025,-0.65) 5(-2.025,-1.3) 11(2.025,-1.3) 12(2.025,-0.65) 13(2.025,0) 14(2.025,0.65) 15(2.025,1.3)
  rect 0.4x0.55 smd paste+0 mask+0: 6(-1.3,-1.925) 7(-0.65,-1.925) 8(0,-1.925) 9(0.65,-1.925) 10(1.3,-1.925) 16(1.3,1.925) 17(0.65,1.925) 18(0,1.925) 19(-0.65,1.925) 20(-1.3,1.925)
  silkscreen extent -3,-2.3 2.4,2.3, body extent -2.9,-2.8 2.9,2.8, height 0.25
FP-AS72653-BLGT-MFG [mm]
  rect 0.55x0.4 smd paste+0 mask+0: 1(-2.025,1.3) 2(-2.025,0.65) 3(-2.025,0) 4(-2.025,-0.65) 5(-2.025,-1.3) 11(2.025,-1.3) 12(2.025,-0.65) 13(2.025,0) 14(2.025,0.65) 15(2.025,1.3)
  rect 0.4x0.55 smd paste+0 mask+0: 6(-1.3,-1.925) 7(-0.65,-1.925) 8(0,-1.925) 9(0.65,-1.925) 10(1.3,-1.925) 16(1.3,1.925) 17(0.65,1.925) 18(0,1.925) 19(-0.65,1.925) 20(-1.3,1.925)
  silkscreen extent -3.21,-2.3 2.4,2.3, body extent -2.32,-2.23 2.29,2.18, height 2.5
FP-DRV0006B-MFG [mm]
  rrect33% 0.45x0.3 smd paste+0 mask+0: 1(-0.975,0.65) 2(-0.975,0) 3(-0.975,-0.65) 4(0.975,-0.65) 5(0.975,0) 6(0.975,0.65)
  silkscreen extent -1.87,-1.22 1.05,1.2, body extent -1.3,-1.15 1.3,1.15, height 0.25
MXIC-USON-8_V [mm] "USON, 8-Leads, Body 3.1x2.1mm, Pitch 0.5mm, Thermal Pad 1.6x0.2mm"
  rect 0.72x0.25 smd mask+0.102: 1(-1.5,0.75) 2(-1.5,0.25) 3(-1.5,-0.25) 4(-1.5,-0.75) 5(1.5,-0.75) 6(1.5,-0.25) 7(1.5,0.25) 8(1.5,0.75)
  rect 0.2x1.6 smd mask+0.102: 9(0,0)
  silkscreen extent -2,1.29 -1.9,1.39, body extent -1.55,-1.05 1.55,1.05, height 0.6
PNSC-EVPAA_V [mm] "SMD, 4-Leads, Body 2.9x3.5mm, Pitch 1.45mm"
  rect 1.15x1.05 smd: 1(-1.675,0.725) 2(-1.675,-0.725) 3(1.675,0.725) 4(1.675,-0.725)
  silkscreen extent -2.92,-1.45 0.7,1.45, body extent -1.75,-1.45 1.75,1.45, height 1.9
RESC1005X40X25LL05T05 [mm] "Chip Resistor, 2-Leads, Body 1.05x0.55mm, IPC High Density"
  rect 0.45x0.45 smd: 1(-0.4,0) 2(0.4,0)
  body extent -0.53,-0.28 0.53,0.28, height 0.4
RESC1005X40X25LL05T10 [mm] "Chip Resistor, 2-Leads, Body 1.00x0.50mm, IPC High Density"
  rect 0.5x0.45 smd: 1(-0.375,0) 2(0.375,0)
  body extent -0.53,-0.27 0.53,0.28, height 0.4
RGE0024C [mm] "QFN, 24-Leads, Body 4x4mm, Pitch 0.5mm, Thermal Pad 2.1x2.1mm"
  rrect42% 0.6x0.24 smd: 1(-1.9,1.25) 2(-1.9,0.75) 3(-1.9,0.25) 4(-1.9,-0.25) 5(-1.9,-0.75) 6(-1.9,-1.25) 13(1.9,-1.25) 14(1.9,-0.75) 15(1.9,-0.25) 16(1.9,0.25) 17(1.9,0.75) 18(1.9,1.25)
  rrect42% 0.24x0.6 smd: 7(-1.25,-1.9) 8(-0.75,-1.9) 9(-0.25,-1.9) 10(0.25,-1.9) 11(0.75,-1.9) 12(1.25,-1.9) 19(1.25,1.9) 20(0.75,1.9) 21(0.25,1.9) 22(-0.25,1.9) 23(-0.75,1.9) 24(-1.25,1.9)
  rrect5% 2.1x2.1 smd paste-1.05: 25(0,0)
  silkscreen extent -2.22,-2.22 2.22,2.22, body extent -2.07,-2.07 2.07,2.07, height 1.01
TC2030-MCP-NL [mil] "CABLE TAG-CONNECT IN-CIRCUIT"
  round 31 smd paste-33: 1(-50,-25) 2(-50,25) 3(0,-25) 4(0,25) 5(50,-25) 6(50,25)
  round 20 hole 39.37 unplated: ""(-100,0) ""(100,-40) ""(100,40)
  silkscreen extent -126,-63 126,63
TP-SM-C-100 [mm] "Test Point, Surface Mounting, Circular, Pad Diameter 1mm"
  round 1 smd paste-1: 1(0,0)